# Allegro board C112P01-T2-ZDS-A03.brd (continued)
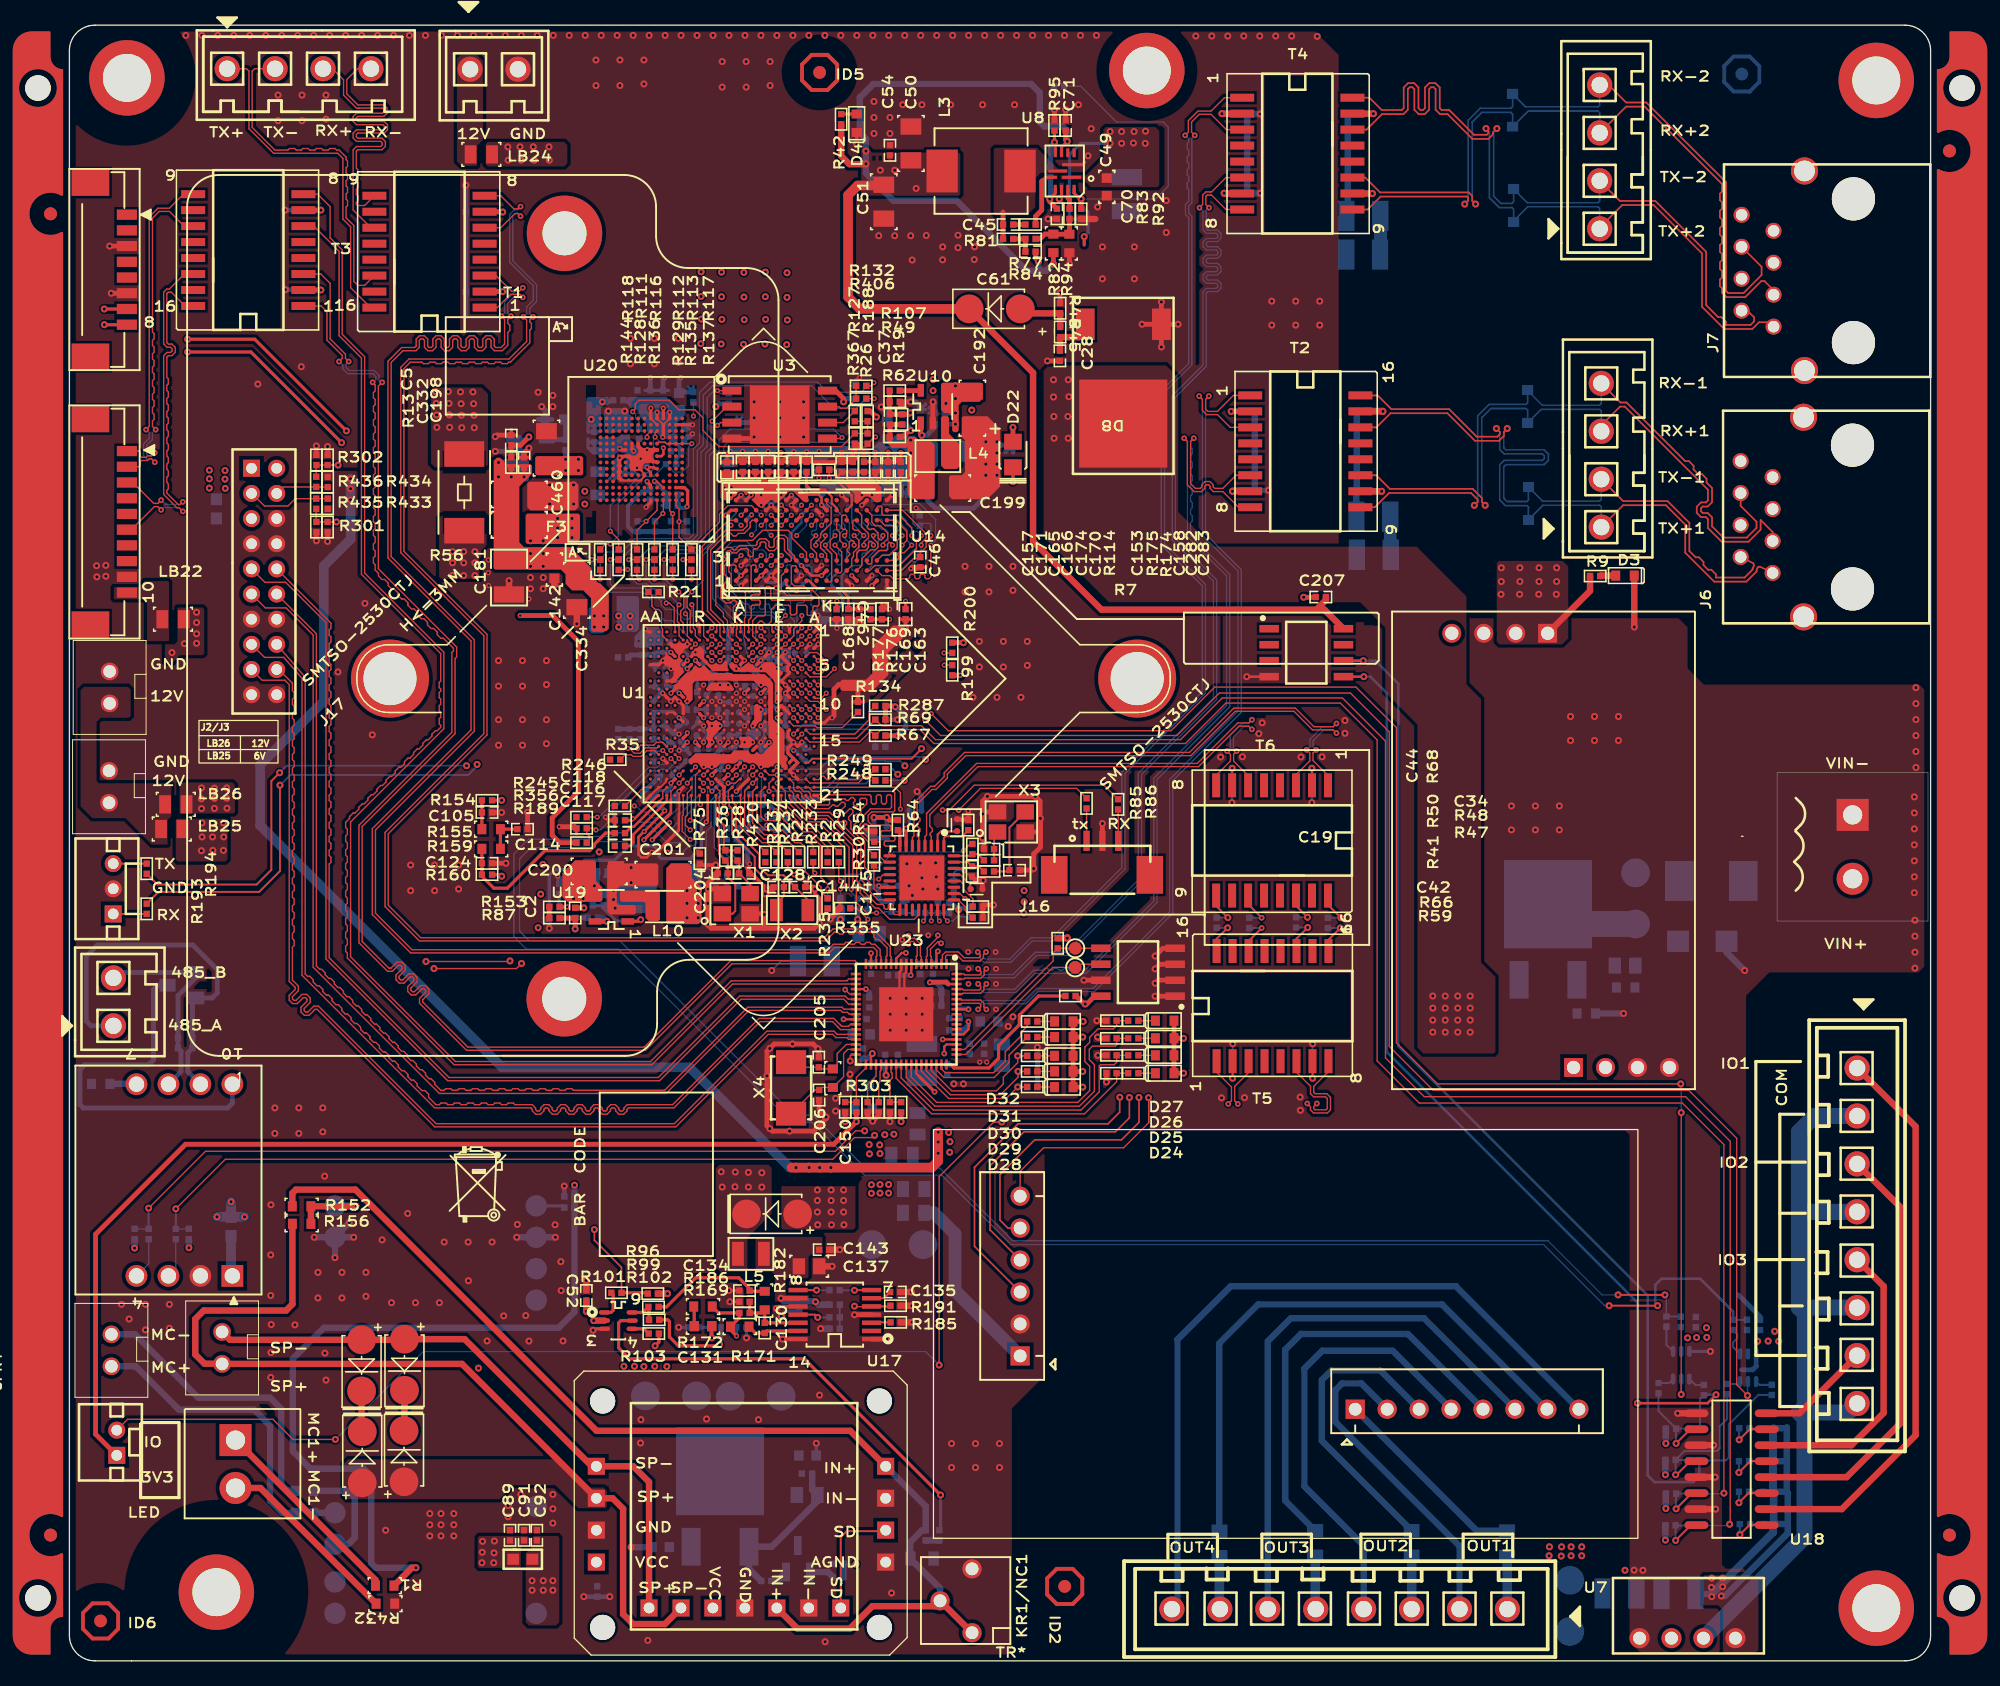
[diagram p0: board, top side]
## Routing (per net, layer and track width the routed paths; a pad name or vN(x,y) marks a point on that pad's centre or on a via; arc(x,y) is an arc through that point) (continued)
  BOTTOM w0.305: C3.1 53.06,78.84 v3(53.02,78.88) 52.92,78.88 52.4,79.4 C7.1
  BOTTOM w0.381: v3(56.27,74.98) 56.88,74.37 C108.1 56.9,75.6 C12.1 ; C23.1 56.29,78.87 v3(56.27,78.88) 56.23,78.84 C9.1 55.64,78.88 v3(54.97,78.88) ; LB20.1 56.33,76.99 v3(56.27,76.93) v3(56.27,76.28)
  BOTTOM w0.404: C225.1 67.37,92.86 ; C225.1 66.81,93.45 ; C225.1 66.26,92.86 ; 64.44,96.57 C210.1 65.61,97.12
  vias: v1(66.88,96.04) v1(66.88,94.01) v3(52.07,93.88) v3(52.07,93.27) v3(52.63,93.88) v3(52.63,93.3) v3(52.59,92.69) v3(56.57,93.88) v3(57.58,93.88) v3(61.65,93.91) v3(62.53,93.91) v3(62.99,92.69) v3(63.42,93.91)
DVCC: length 102.4
  TOP w0.178: U23.39 v1(64.92,46.56) ; 67.57,46.45 67.32,46.7 U23.45
  TOP w0.254: 67.57,46.45 v2(68.78,45.24)
  TOP w0.381: v1(80.58,50.84) D32.A D31.A ; v1(88.57,46.72) D24.A D25.A D26.A ; 79.78,46.86 v1(80.55,46.86) ; 79.78,46.86 D28.A v1(80.55,45.62) ; 79.78,46.86 D29.A D30.A D31.A ; R281.1 v1(62.56,42.88) 60.76,41.07 9.24,41.07 2.08,33.92 2.08,18.02 J31.1 ; D26.A D27.A ; D26.A v1(88.57,49.49) ; D31.A v1(80.55,49.6) ; R294.2 v1(66.12,42.88)
  BOTTOM w0.381: C179.1 64.85,46.63 v1(64.92,46.56)
DVDD: length 27.5
  TOP w0.254: 50.74,73.36 v3(51.07,73.03) 50.74,72.71 ; 51.39,74.66 v3(51.72,74.33) U1.N13 51.39,74.01 v3(51.07,74.33) ; U1.L8 v3(52.37,77.58) U1.M8 v3(51.72,77.58) U1.N8 51.07,77.58 50.74,77.26 ; v3(51.07,74.33) 50.74,74.01 ; v3(51.07,74.33) 50.74,74.66 ; v3(54.32,74.33) 54.64,74.66 54.65,74.66 ; U1.H11 v3(54.97,75.63) ; 54,72.71 v3(53.67,73.03) 54,73.36 v3(54.32,73.03) 54,72.71
  TOP w0.381: C2.1 v1(40.89,59.87)
  ART03 w0.381: v1(40.89,59.87) 41.55,59.21 41.55,58.72 42.16,58.12 43.56,58.12 45.67,60.22 v1(49.1,60.22)
  BOTTOM w0.203: v3(54.32,73.03) 53.86,72.57 C111.1 53.67,72.68 v3(53.67,73.03)
  BOTTOM w0.254: v3(54.32,74.33) 54.32,74.42 C73.1 54.97,75.07 v3(54.97,75.63) 55.53,75.63 C113.1 ; LB15.1 51.37,78.52 C112.1 ; C109.1 C115.1 52.18,74.4 51.78,74.4 v3(51.72,74.33) v3(51.07,74.33)
  BOTTOM w0.305: C119.1 50.82,72.78 v3(51.07,73.03)
  BOTTOM w0.381: C2.1 v1(40.89,59.87)
  vias: v1(49.1,61.24) v1(49.1,59.08) v1(49.99,61.24) v1(49.99,60.22) v1(49.99,59.08)
DVDD3318_SDIO_VOUT: length 2.7
  TOP w0.254: v3(49.12,79.53) 48.8,79.21 U1.U5
  BOTTOM w0.254: C41.1 48.28,80.42 48.72,80.42 49.12,80.01 v3(49.12,79.53)
GND: length 518.5
  TOP w0.102: U1.P20 50.76,69.46 v3(51.08,69.14) ; 53.35,79.86 U1.K4
  TOP w0.127: 48.45,67.35 48.47,67.37 v3(48.47,69.13) ; v3(46.51,93.79) 46.71,93.79 U20.C4 ; U20.N5 U20.P6
  TOP w0.152: U1.W19 47.41,70.02 47.41,69.87 46.99,69.46 U1.Y20 U1.AA21 46.19,68.81 ; U1.V11 48.04,75.41 47.6,75.41 U1.W11 ; U1.A12 59.28,74.57 59.73,74.57
  TOP w0.178: U23.10 66.12,54.89 65.99,54.76 65.99,53.42 v1(65.25,52.68) ; U23.9 66.52,54.76 66.37,54.61 66.37,52.83 v1(66.52,52.68)
  TOP w0.203: v3(46.3,64.29) 45.9,63.88 45.47,63.88 45.24,64.11 45.24,65.51 45.67,65.94 v3(45.69,65.94) 47.32,67.56 v3(47.32,67.59) ; U28.4 v1(93.59,78.25) ; 57.09,78.41 U1.E7 ; U1.R1 50.09,81.81 50.09,82.21 50.11,82.23 v3(49.99,82.36) ; v3(48.21,65.81) 48.45,66.05 48.45,67.35
  TOP w0.229: 80.72,119.15 80.52,118.95 U8.2 ; v1(78.69,116.23) 78.87,116.41 U8.10 ; U1.Y5 U1.AA5
  TOP w0.254: U1.Y5 46.85,79.21 47.17,79.53 v3(47.17,79.53) ; C170.2 v3(57.58,96.14) ; C170.2 57.15,95.76 ; C170.2 C174.2 ; C170.2 58.01,95.76 ; C170.2 R114.1 ; v1(59.61,58.65) 59.64,58.67 59.64,60.63 59.26,61.01 v1(59.26,61.37) ; v3(53.39,87.09) U14.B3 ; C128.2 54.48,62.4 ; C128.2 54.05,63.32 v3(54.08,63.35) ; C128.2 53.84,63.04 ; C128.2 54.23,62.61 55.19,61.65 55.19,61.11 v1(55.32,60.99) ; 50.09,80.51 v3(49.77,80.18) ; v3(49.77,80.18) 49.45,79.86 49.44,79.86 ; v3(49.77,80.18) 50.09,79.86 ; U17.14 v1(56.69,25.58) ; v3(57.57,73.03) U1.D15 57.12,72.59 57.12,72.18 U1.D16 57.56,71.74 ; v3(57.57,73.03) 57.24,73.36 U1.D14 57.13,73.47 57.13,73.89 U1.D13 ; v3(57.57,73.03) 57.57,73.03 U1.C15 v3(58.22,73.03) ; 55.98,61.09 C144.2 55.55,61.52 ; R114.1 v3(58.6,96.14) ; R114.1 59.03,95.76 ; R114.1 C153.2 ; R114.1 58.17,95.76 ; U1.G4 v3(55.62,80.18) ; U1.G4 55.29,79.86 U1.G4 ; v3(56.92,80.18) 56.59,79.86 56.59,79.86 U1.E4 U1.D5 57.1,79.06 57.1,78.7 57.24,78.56 ; C157.2 52.27,95.91 v3(52.53,96.16) ; C157.2 51.84,95.3 ; C157.2 52.3,95.33 C171.2 ; C157.2 52.71,95.3 ; U1.D11 57.24,75.31 56.8,75.75 56.8,75.75 U1.E10 56.47,75.83 56.47,75.83 v3(56.27,75.63) ; v3(52.04,68.2) 52.04,68.81 U1.M21 U1.M20 U1.N19 ; R177.1 62.79,82.78 v3(62.2,82.19) 61.91,82.49 C462.2 ; R177.1 63.22,82.38 ; R177.1 62.36,82.81 ; 65.66,95.33 C283.2 ; C283.2 65.66,95.76 ; C283.2 v3(66.09,96.06) ; C165.2 v3(54.53,96.16) ; C165.2 54.97,95.76 ; C165.2 C171.2 ; C165.2 C166.2 ; C165.2 54.1,95.76 ; U1.V7 U1.W7 ; U1.B3 58.54,80.51 v3(58.87,80.83) ; 57.24,78.56 U1.D6 57.24,78.56 ; 57.24,78.56 57.09,78.41 ; 43.36,67.26 C118.1 43.36,66.4 ; C153.2 60.96,95.76 ; C153.2 61.82,95.76 ; U14.M9 v3(61.39,92.69) ; C174.2 C166.2 ; C174.2 56.13,95.76 ; C174.2 57,95.76 ; C166.2 55.98,95.76 ; C166.2 v3(55.55,96.16) ; C166.2 55.12,95.76 ; C282.2 65.07,96.04 v3(65.1,96.07) ; C282.2 65.51,95.33 ; C282.2 64.64,95.33 ; U14.G8 v3(57.39,91.89) U14.G9 ; v3(64.34,93.92) 64.06,94.2 C158.2 ; 60.83,59.84 R355.2 61.26,60.27 ; 66.01,99.67 R49.1 66.45,99.67 ; U20.G5 46.67,95.33 46.38,95.33 46.13,95.58 v3(45.42,95.58) ; C169.2 64.59,84.05 ; C169.2 65.02,84.05 ; C169.2 v3(65.2,83.62) ; U1.D17 57.24,71.43 57.56,71.74 ; 61.85,95.76 R175.1 62.71,95.76 ; C204.2 51.54,63.12 v1(51.38,63.27) ; C204.2 51.54,62.18 ; C204.2 51.1,62.61 ; v3(60.63,74.98) 60.43,74.98 60.02,74.57 59.73,74.57 ; 81.56,114.63 81.55,114.64 ; v3(59.79,91.09) U14.J8 ; C158.2 64.49,94.52 ; C158.2 64.49,94.73 ; v3(45.92,96.28) 45.47,96.28 45.22,96.53 U20.K8 ; 39.88,66.19 R356.2 40.31,65.76 ; v3(55.79,86.29) U14.E1 ; v3(55.79,86.29) U14.D1 ; v3(55.79,86.29) U14.E2 ; U14.D8 55.39,91.49 v3(55.79,91.89) U14.E8 ; v3(53.52,96.16) C171.2 ; C171.2 53.09,95.76 ; C171.2 53.95,95.76 ; U1.A21 59.2,68.81 U1.A21 ; U1.A21 59.56,68.81 59.64,68.73 v3(59.66,68.73) ; U1.A1 59.49,82.1 v3(59.49,83.14) ; U1.D9 v3(56.92,76.93) 57.24,77.26 57.24,77.26 U1.D8 57.24,77.26 v3(56.92,77.59) 56.72,77.78 56.72,77.78 U1.E7 ; C134.2 v1(52.43,29.44) ; 63.12,76.25 R134.1 62.26,76.25 ; v3(61.01,82.1) 60.98,82.12 C168.2 ; U1.U20 48.8,69.46 v3(48.47,69.13) ; 54.32,72.38 54.64,72.71 U1.H15 ; U16.3 41.74,26.4 v1(41.63,26.29) ; 35.56,97.46 C5.2 35.13,97.89 ; U20.P4 v3(47.22,99.59) ; v3(53.02,69.13) 53.34,69.46 U1.K20 U1.J19 ; U1.U3 v3(49.12,80.83) ; U17.10 56.37,28.18 v1(56.21,28.02) ; 62.87,96.77 R367.2 62.87,96.34 ; U14.B1 53.39,85.49 v3(53.39,85.49) ; v3(45.68,68.3) 45.69,68.3 46.19,68.81 U1.AA21 ; R186.2 v1(52.5,28.55) ; U20.A6 46.22,92.14 45.85,91.77 v3(45.85,91.72) ; U14.T1 v3(64.99,85.29) ; U1.U11 48.79,75.96 v3(48.47,76.28) 48.47,76.28 U1.V9 48.14,76.61 v3(47.82,76.28) U1.W9 v3(47.17,76.93) ; U1.A3 59.2,80.51 v3(59.52,80.83) ; v3(48.21,65.81) 46.69,64.29 v3(46.3,64.29) ; U1.K5 v3(53.67,79.53) 53.35,79.86 ; C168.2 61.42,82.81 ; C168.2 60.55,82.81 ; v3(53.39,92.69) 53,92.29 U14.A9 ; U14.P9 v3(62.99,91.89) ; 57.56,71.74 57.56,71.74 U1.C17 57.89,71.41 57.63,71.15 57.63,71.15 U1.D18 v3(57.57,70.43) U1.C19 ; v3(47.17,71.73) 47.49,71.41 U1.W17 ; U1.W5 47.5,79.21 v3(47.17,79.53) ; U1.L1 v3(52.69,82.3) ; v3(59.79,87.09) U14.J2 ; C163.2 v3(66.47,82.1) ; C163.2 66.04,82.81 ; C163.2 66.9,82.81 ; 51.72,78.88 52.04,79.21 ; 68.07,86.95 C46.2 67.21,86.73 ; v3(58.19,86.29) U14.G1 ; v3(45.8,82.04) 46.03,81.81 U1.AA1 ; v3(47.17,79.53) 47.5,79.86 ; U14.F9 v3(57.39,92.69) ; U14.M1 v3(62.19,85.49) ; U14.T9 v3(65.42,92.71) ; U1.H5 v3(54.97,79.53) ; 35.71,95.68 C332.2 36.58,95.68 ; U20.P6 v3(46.22,99.59) ; U20.N2 v3(49.54,98.28) ; D4.C v1(62.59,120.57) ; 58.71,61.95 58.5,61.52 58.5,61.95 ; U14.P1 v3(63.79,86.29) ; U14.B9 v3(54.19,92.69) ; v3(57.24,82.3) U1.D1
  TOP w0.305: R75.2 50.22,63.27 v1(51.38,63.27) ; C118.1 42.88,66.83 v3(42.62,67.08)
  TOP w0.381: X3.4 72.76,67.5 v1(72.59,67.34) ; v1(59.26,61.37) 59.11,61.52 58.5,61.52 ; v1(81.74,49.6) 81.84,49.49 R285.1 ; U17.4 62.42,27.53 v1(62.41,27.52) ; v1(36.53,96.42) 36.14,96.04 C332.2 ; R41.1 72.06,62.05 v1(72.64,62.05) 72.58,61.99 C42.2 ; R302.2 v1(19.63,96.6) ; R288.2 v1(65.23,42.88) ; J16.2 v1(82.12,66.57) ; C207.1 99.06,84.56 v1(98.12,84.56) ; C144.2 55.45,60.99 v1(55.32,60.99) ; v1(33.86,97.33) 33.99,97.46 C5.2 ; 77.2,65.9 77.2,66.97 v1(77.19,66.98) 77.17,67.01 77.17,68.35 v1(76.78,68.73) v1(72.97,68.73) 72.59,68.35 v1(72.59,67.34) ; 77.2,65.9 X3.2 ; 77.2,65.9 77.2,64.71 76.66,64.16 v1(76.66,62.99) 76.53,62.86 C19.1 ; C70.2 v1(77.8,114.64) ; U24.7 v1(80.64,54.11) ; v1(68.66,100.1) 68.63,100.08 U10.2 ; J12.6 v1(3.33,108.73) ; v1(86.31,55.02) 86.68,55.38 U24.3 ; U24.1 v1(86.31,52.84) ; v1(72.59,67.34) v1(72.59,65.43) 72.69,65.33 C34.1 ; R54.2 63.68,65.94 v1(63.3,66.32) ; C150.1 v1(61.67,42.88) ; v1(54.43,97.31) 54.31,97.18 U3.4 ; v1(86.31,56.03) 86.93,56.65 U24.4 ; U17.1 v1(64.97,25.58) ; v1(59.61,58.65) 59.21,58.24 55.17,58.24 ; v3(50.75,61.37) 51.54,61.37 X1.4 ; v3(50.75,61.37) v1(50.75,60.22) v1(50.75,58.59) 50.75,58.51 51.02,58.24 55.17,58.24 ; v3(50.75,61.37) 50.76,61.38 50.76,61.84 C204.2 ; v3(71.45,67.59) R68.1 71.39,66.92 C44.2 ; C105.2 v1(34.36,67.45) ; R301.2 v1(19.63,89.05) ; C46.2 66.99,86.95 v3(66.89,86.85) ; 55.17,58.24 55.24,58.31 v1(55.24,59.33) 55.18,59.4 X1.2 ; R94.2 v1(79.49,111.07) ; R295.2 63.45,43.31 v1(63.86,42.9) 64.34,43.38 R284.2 ; R355.2 61.26,59.77 v1(60.48,58.98) ; R270.1 v1(20.52,89) ; v3(61.39,96.07) C153.2 R175.1 v3(62.28,96.07) 62.43,96.22 R367.2 ; R286.1 v1(81.75,48.14) ; R272.1 v1(20.52,96.55) ; C124.2 v1(34.7,63.42) ; v1(73.46,60.1) 72.62,60.1 R66.1 R59.2 ; R283.1 v1(81.67,50.9) ; C206.1 59.6,43.78 v1(60.15,43.23) 60.15,43.1 59.16,42.11 v1(57.25,42.11) 55.88,42.11 v1(55.68,42.32) 55.45,42.54 v1(55.45,46.51) 55.45,48.46 v1(55.68,48.69) 56.03,49.05 v1(57.48,49.05) 59.13,49.05 v1(59.51,48.67) 59.58,48.6 C205.1 ; v1(86.31,53.87) 86.56,54.13 87.89,54.13 U24.2 ; R292.1 v1(82.44,46.02) ; R134.1 62.69,77.21 62.27,77.62 61.16,77.62 60.78,77.24 60.78,75.13 v3(60.63,74.98) ; R95.2 v1(78.31,123.34) ; D8.1 v1(86.81,108.04) ; D8.1 v1(86.81,104.46) ; D8.1 v1(85.27,106.27) ; D8.1 v1(88.13,106.27) ; R46.1 v1(78.76,108.76) ; C71.2 v1(79.2,123.34) ; v3(38.94,66.32) 40.18,66.32 R356.2 ; R49.1 v1(66.88,100.1) ; C114.2 v1(36.42,67.46) ; J12.3 v1(3.2,112.48) ; C28.2 v1(77.75,103.35)
  TOP w0.508: R185.2 v1(67.02,26.91) ; C334.2 v1(40.34,82.45) ; v1(34.95,85.88) C181.2 ; 81.55,114.64 R92.2 ; C143.2 v1(61.24,32.69) ; U18.11 v1(130.7,17.14) ; v1(38.81,85.24) 38.56,85.5 C142.2 ; C52.1 v1(41.09,30.25) ; C137.2 v1(60.63,31.37) ; R191.2 v1(66.97,28.23) ; U18.15 v1(130.86,12.06) ; C135.1 v1(66.94,29.32) ; D3.C v1(124.4,82.19) ; U18.13 v1(130.82,14.6) ; U18.9 v1(127.85,19.68)
  ART03 w0.254: 45.8,64.8 45.85,64.8
  BOTTOM w0.152: C85.1 v1(98.83,49.06) ; v1(55.83,54.89) 56.59,55.65 C178.2 ; C84.1 v1(92.48,49.06) ; v1(72.64,62.05) 72.58,61.99 C42.2 ; C87.1 v1(92.42,68.23) ; C86.1 v1(98.77,68.23)
  BOTTOM w0.254: 47.12,91.85 C55.2 47.12,92.28 ; v3(54.97,79.53) 54.38,78.95 C3.2 ; 53.06,98.88 R65.2 53.49,98.88 ; 42.56,62.33 C98.2 42.77,62.33 ; C109.2 53.69,74.96 C73.2 53.91,74.57 v3(53.67,74.33) 53.5,74.5 C115.2 ; C101.2 51.79,69.85 v3(51.08,69.14) ; 45.75,101.02 C60.2 46.61,101.02 ; 46.61,92.33 C64.2 45.75,92.33 ; 47.28,73.29 C141.1 47.28,73.51 ; 49.61,101.32 R146.2 49.17,101.32 ; 57.15,95.33 C170.2 57.15,95.12 ; 52.84,72.13 C111.2 52.46,72.57 ; 61.52,82.38 C159.2 62.38,82.38 ; 49.53,74.17 C122.1 49.97,75.04 ; 46.55,77.88 C110.1 46.17,77.45 ; 52.28,78.54 C112.2 52.28,78.32 ; 49.3,97.94 C63.2 48.87,98.37 ; 59.16,94.26 C154.2 59.16,94.7 ; 46.76,101.02 C65.2 47.63,101.02 ; 60.12,82.38 C172.2 59.69,82.38 ; 63.27,82.38 R180.1 62.84,82.38 ; 54.38,78.41 C3.2 ; C3.2 54.81,78.41 ; 64.62,84.05 C164.2 65.05,84.05 ; 47.65,78.95 C125.2 47.26,78.95 ; 61.44,82.38 R115.1 60.58,82.38 ; 39.37,62.2 C27.2 39.37,61.77 ; 42.93,60.88 C423.2 42.49,61.32 ; 68.07,99.49 C81.2 68.07,99.92 ; 52.14,72.51 C119.2 51.31,72.08 ; 37.72,58.62 R79.2 37.72,59.05 ; v3(61.39,92.69) U14.M9 ; 47.41,74.75 C139.1 47.02,74.32 ; 62.1,101.8 C129.2 62.1,101.37 ; 51.16,72.06 C95.2 51.99,72.06 ; 58.83,68.17 C56.2 58.39,68.17 ; 51.97,73.81 C102.2 51.52,73.16 ; U2.3 v1(130.45,24.61) ; R183.2 v1(48.44,26.52) ; 64.87,75.26 R198.1 64.87,74.4 ; 66.04,82.81 C163.2 66.9,82.81 ; U14.E8 v3(55.79,91.89) ; 58.06,72.89 C93.2 58.93,72.5 ; 43.36,93.95 C58.2 42.93,93.95 ; C106.2 55.71,76.19 v3(56.27,75.63) ; 46.98,69.95 C36.1 46.59,70.38 ; v3(51.72,76.28) 51.77,76.23 C107.2 ; 66.68,60.38 R354.2 66.24,60.81 ; 68.33,99.21 C69.2 68.33,99.64 ; 47.12,92.3 C57.2 47.12,92.74 ; C136.2 56.9,27.79 56.59,27.48 v1(56.59,27.41) ; 46.56,78.73 C59.2 46.13,79.16 ; 49.94,80.41 C90.1 50.37,80.64 ; 60.96,95.33 C153.2 60.96,95.12 ; C133.2 v1(53.82,25.68) ; C30.2 v1(66.75,61.62) ; v1(59.37,17.3) C11.1 ; 50.36,73.16 C96.2 50.36,74.02
  BOTTOM w0.305: C95.2 51.6,72.35 C119.2 51.76,72.99 v3(51.72,73.03) 51.72,73.39 C102.2 ; v3(53.02,77.58) 53.02,77.82 C112.2 53.16,78.1 ; v3(54.19,92.69) U14.B9 v3(53.39,92.69) ; U14.B1 v3(53.39,85.49) U15.A9 ; v3(57.57,73.03) 57.42,73.03 C108.2 ; U15.F9 56.41,85.3 v3(56.18,85.3) ; C123.1 55.96,71.65 55.58,72.03 ; U14.P1 v3(63.79,86.29) ; U14.G1 v3(58.19,86.29) U15.G8 ; 49.35,72.09 49.03,72.4 C126.1 ; v3(57.39,91.89) U14.G9 v3(57.39,92.69) ; v3(62.99,91.89) 63.06,91.89 63.39,92.22 U14.P9 ; C122.1 50.15,74.6 v3(50.42,74.33) 50.42,73.97 C96.2 50.42,73.21 v3(50.42,73.03) ; v3(47.82,78.88) 47.67,79.03 47.67,79.38 C125.2 47.32,79.38 v3(47.17,79.53) 46.8,79.16 C59.2 ; U14.E2 v3(55.79,86.29) U15.D8 ; v3(46.51,93.79) 47.55,92.74 C57.2 ; U14.J2 v3(59.79,87.09) ; v3(51.72,76.28) 51.6,76.41 C100.2 ; C141.1 47.86,73.07 48.11,72.82 ; U15.E1 v3(55.79,91.89) U15.D1 ; C99.2 51.56,75.14 v3(51.72,74.98) ; U14.J8 v3(59.79,91.09) ; U14.T9 v3(65.42,92.71) ; U14.T1 v3(64.99,85.29) ; U14.M1 v3(62.19,85.49) ; U15.B3 v3(54.22,91.12)
  BOTTOM w0.358: 47.78,68.32 C43.2 ; C43.2 48.4,68.32 ; C43.2 48.4,68.93
  BOTTOM w0.381: v3(43.74,95.66) 43.36,95.28 C58.2 ; v1(43.26,61.26) 42.88,61.26 C423.2 ; v1(63.3,66.32) 63.3,65.84 63.73,65.41 C29.2 64.91,65.41 C31.2 ; R354.2 66.73,60.86 v1(67.01,60.86) ; C167.2 v3(63.17,96.07) ; R225.1 74.02,96.65 v1(73.74,96.93) ; C154.2 v3(59.59,96.16) ; 132.92,23.14 133.81,23.14 134.09,23.42 U21.3 ; v3(49.53,97.56) 49.28,97.31 49.12,97.31 C62.2 ; v1(67.39,69.11) 67.73,68.77 C33.2 ; v1(72.85,96.93) 71.65,96.93 C195.2 ; v1(37.54,99.72) 37.82,99.44 R24.2 ; v3(67.31,91.64) 67.59,91.36 C281.2 ; v3(48.59,102.03) 48.46,101.9 C68.2 48.55,100.89 R146.2 ; C76.1 v1(95.33,93.07) ; v1(72.85,96.04) 72.72,96.16 C195.2 ; 55.25,74.54 C113.2 ; C113.2 55.69,74.53 C121.2 55.24,74.15 ; C113.2 55.25,74.15 ; v3(45.68,68.3) 45.68,68.34 45.54,68.48 45.54,68.95 C36.1 ; C43.2 48.09,68.75 v3(48.47,69.13) ; v1(54.43,98.83) 54.05,98.45 R65.2 ; v3(38.81,62.38) 38.94,62.26 C27.2 ; C159.2 R115.1 ; C159.2 61.95,82.45 v3(62.2,82.19) ; C159.2 R180.1 ; R115.1 v3(61.01,82.1) ; R115.1 C172.2 59.82,82.81 v3(59.49,83.14) ; 55.13,72.16 C94.2 54.97,71.89 v3(54.97,73.03) ; C93.2 58.5,72.76 v3(58.22,73.03) ; 54.36,75.39 C104.2 ; v1(76.95,48.78) R291.1 R289.1 R290.1 ; v3(56.92,76.93) 56.92,76.54 56.96,76.5 C12.2 ; v3(49.54,98.28) 49.21,98.28 C63.2 ; C64.2 46.18,92.05 v3(45.85,91.72) ; C195.2 71.91,95.15 v1(72.85,95.15) ; v3(57.58,96.14) C170.2 R114.1 ; 132.66,29.11 134.39,27.38 C4.1 ; v3(53.02,73.03) 53.02,72.74 C111.2 ; C139.1 48.04,73.68 v3(48.47,73.68) ; C69.2 68.76,100 v1(68.66,100.1) ; C210.2 65.02,99.21 v1(64.54,99.69) ; R175.1 v3(62.28,96.07) ; C65.2 47.19,101.9 v3(47.32,102.03) ; v3(47.32,67.59) C140.1 ; R114.1 v3(58.6,96.14) ; R114.1 59.03,95.33 ; v3(48.47,72.38) 48.59,72.5 C126.1 ; v3(59.66,68.73) 59.64,68.73 59.51,68.61 C56.2 ; v3(54.53,96.16) C165.2 C166.2 v3(55.55,96.16) ; C78.1 v1(17.17,109.02) ; v3(49.77,80.18) 49.84,80.25 C90.1 ; v1(40.89,5.11) C97.2 v1(42.95,5.11) ; R198.1 v1(65.84,74.83) ; C188.1 53.92,64.44 53.92,63.5 v3(54.08,63.35) ; 46.48,80.96 C41.2 ; C41.2 47.13,81.4 ; C41.2 46.91,81.4 ; C41.2 46.48,81.4 ; C153.2 v3(61.39,96.07) ; C225.2 68.21,92.27 68.83,91.64 71.88,91.64 v3(72.72,92.48) ; C88.1 v1(39.34,37.75) ; 45.11,80.79 R142.1 ; R142.1 45.54,81.22 ; R142.1 45.97,80.79 ; R142.1 45.97,81.22 ; C163.2 v3(66.47,82.1) ; C461.2 53.58,95.9 53.62,95.94 53.52,96.04 v3(53.52,96.16) ; C7.2 52.4,82 v3(52.69,82.3) ; v1(66.88,100.1) 67.26,100.1 67.64,99.72 C81.2 ; 31.52,106.9 C72.1 C74.1 v1(31.52,117.32) ; v1(38.15,58.24) R79.2 ; C55.2 C57.2 ; C22.2 47.05,76.93 v3(47.17,76.93) 46.66,77.45 C110.1 ; C47.2 v1(69.04,61.37) ; 43.43,97.84 C66.2 43,98.27 ; C79.1 v1(17.14,115.34) ; v1(36.53,96.42) 36.27,96.16 U9.2 v1(33.86,96.16) ; C98.2 44.02,62.76 ; C60.2 v3(46.18,102.03) ; C164.2 v3(65.2,83.62) ; C96.2 C102.2 ; v3(62.81,102.03) 62.53,101.75 C129.2
  BOTTOM w0.399: 74.42,96.14 R225.1 75.01,96.11 ; 37.29,98.7 R24.2 ; R24.2 37.82,98.12 ; R24.2 38.35,98.7
  BOTTOM w0.508: v1(94.65,122.99) C80.1 C82.1 v1(94.67,116.69) ; U12.11 v1(21.11,32.06) ; U12.11 v1(22.6,33.68) ; U12.11 21.11,33.71 v1(22.25,34.85) ; U12.11 v1(19.46,33.68) ; D19.1 131.74,56.33 v1(133.17,54.89) ; v1(38.63,33.68) U12.2 v1(35.56,33.68) ; R8.1 v1(123.55,51.47) ; R190.1 v1(59.72,26.42) ; C76.1 94.23,93.09 C75.1 ; C10.1 v1(44.65,9.04)
  vias: v1(2.16,87.07) v1(2.18,86.18) v1(2.9,87.1) v1(2.9,86.23) v1(4.14,28.35) v1(4.75,27.18) v1(6.05,28.35) v1(6.05,26.31) v1(7.95,28.35) v1(7.95,26.44) v1(9.25,129.24) v1(10.52,129.24) v1(11.79,129.24) v1(13.06,129.24) v1(14.33,129.24) v1(14.98,101.51) v1(15.6,129.24) v1(16.02,36.26) v1(16,32.28) v1(16,29.05) v1(16.05,26.74) v1(16.02,24.51) v1(16,22.54) v1(16.33,43.97) v1(16.33,41.94) v1(16.59,124.49) v1(16.59,122.45) v1(16.87,129.24) v1(17.93,26.72) v1(18.14,129.24) v1(18.24,43.97) v1(18.24,41.94) v1(18.44,102.89) v1(18.49,124.49) v1(18.49,122.45) v1(19.41,129.24) v1(19.76,30.89) v1(19.76,28.85) v1(20.14,43.97) v1(20.14,42.06) v1(20.29,38.53) v1(20.31,24.47) v1(20.4,124.49) v1(20.4,122.58) v1(20.4,22.32) v1(20.68,129.24) v1(21.35,78.62) v1(21.67,30.89) v1(21.67,28.85) v1(21.95,129.24) v1(23.22,129.24) v1(23.49,84.08) v1(23.57,30.89) v1(23.57,28.98) v1(24.08,73.62) v1(24.49,129.24) v1(24.86,33.47) v1(25.14,10.39) v1(25.6,28.47) v1(25.76,129.24) v1(26.89,35.57) v1(27.03,129.24) v1(27.13,63.27) v1(27.13,61.24) v1(27.51,28.47) v1(27.7,5.98) v1(28.3,129.24) v1(28.65,11.71) v1(28.65,10.82) v1(28.65,9.93) v1(29.03,63.27) v1(29.03,61.24) v1(29.41,28.47) v1(29.54,11.71) v1(29.54,10.82) v1(29.54,9.93) v1(29.57,129.24) v1(29.79,33.3) v1(30.56,11.71) v1(30.56,10.82) v1(30.56,9.93) v1(30.84,129.24) v1(30.94,63.27) v1(30.94,61.37) v1(31.7,33.3) v1(31.72,30.22) v1(32.11,129.24) v1(32.52,23.27) v1(33.2,25.44) v1(33.38,129.24) v1(33.6,33.3) v1(34.11,79.53) v1(34.11,77.5) v1(34.11,74.83) v1(34.11,72.8) v1(34.52,27.43) v1(34.65,129.24) v1(34.87,12.34) v1(34.87,11.46) v1(35.61,34.7) v1(35.92,129.24) v1(35.89,13.23) v1(36.02,79.53) v1(36.02,77.5) v1(36.02,74.83) v1(36.02,72.8) v1(36.28,27.45) v1(36.54,25.43) v1(36.65,86.13) v1(36.65,85.24) v1(37.19,129.24) v1(37.26,100.86) v1(37.67,86.13) v1(37.67,85.24) v1(37.92,79.53) v1(37.92,77.62) v1(37.92,74.83) v1(37.92,72.92) v1(38.18,93.5) v1(38.18,91.97) v1(38.43,100.61) v1(38.43,99.72) v1(38.43,13.23) v1(38.43,12.09) v1(38.43,10.95) v1(38.46,129.24) v1(38.61,34.67) v1(39.07,31.74) v1(39.09,29.44) v1(39.24,25.44) v1(39.73,129.24) v1(40.08,93.5) v1(40.08,91.97) v1(41,129.24) v1(41.86,127.28) v1(41.86,125.25) v1(42.27,129.24) v1(42.85,99.36) v1(43.26,60.53) v1(43.38,59.84) v1(43.54,129.24) v1(43.76,127.28) v1(43.76,125.25) v1(44.15,99.36) v1(44.6,105.15) v1(44.6,103.11) v1(44.65,63.07) v1(44.65,61.87) v1(44.81,129.24) v1(45.43,19.18) v1(45.4,17.32) v1(45.67,127.28) v1(45.67,125.37) v1(45.98,1.63) v1(46.08,129.24) v1(46.5,105.15) v1(46.5,103.11) v1(47.35,129.24) v1(48.41,105.15) v1(48.41,103.24) v1(48.62,129.24) v1(49.89,129.24) v1(50.65,19.23) v1(51.16,129.24) v1(51.89,127.15) v1(51.89,125.12) v1(52.43,129.24) v1(53.7,129.24) v1(53.8,127.15) v1(53.8,125.12) v1(54.43,100.1) v1(54.78,19.18) v1(54.97,129.24) v1(55.7,127.15) v1(55.7,125.25) v1(56.24,129.24) v1(56.46,100.1) v1(56.46,98.83) v1(56.46,97.31) v1(57.51,129.24) v1(58.37,100.1) v1(58.37,98.83) v1(58.37,97.31) v1(58.78,129.24) v1(59.63,21.13) v1(60.05,129.24) v1(60.08,1.52) v1(60.91,44.73) v1(60.91,43.71) v1(61.32,129.24) v1(62.05,46.63) v1(62.59,129.24) v1(63.86,129.24) v1(63.96,123.98) v1(63.96,122.71) v1(63.96,121.44) v1(64.34,113.31) v1(65.13,129.24) v1(65.23,122.71) v1(65.23,121.44) v1(65.25,51.41) v1(65.25,50.14) v1(65.36,5.4) v1(65.61,113.31) v1(66.24,123.72) v1(66.4,129.24) v1(66.52,51.41) v1(66.52,50.14) v1(66.57,63.37) v1(66.88,113.31) v1(66.99,111.37) v1(67.64,63.42) v1(67.67,129.24) v1(67.77,123.72) v1(67.77,62.26) v1(67.84,61.37) v1(67.79,52.68) v1(67.79,51.41) v1(67.79,50.14) v1(68.12,113.33) v1(68.94,129.24) v1(68.86,63.45) v1(68.91,62.33) v1(69.42,112.42) v1(69.41,111.39) v1(70.05,123.72) v1(70.13,17.27) v1(70.13,15.37) v1(70.21,129.24) v1(70.31,45.87) v1(70.64,113.35) v1(70.64,112.36) v1(71.07,45.87) v1(71.2,87.02) v1(71.2,84.99) v1(71.48,129.24) v1(71.83,76.61) v1(71.94,111.41) v1(71.96,112.42) v1(72.03,17.27) v1(72.03,15.37) v1(72.34,81.05) v1(72.34,79.02) v1(72.59,123.72) v1(72.75,129.24) v1(72.85,94.26) v1(73.1,87.02) v1(73.1,84.99) v1(73.74,96.04) v1(73.74,95.15) v1(73.74,94.26) v1(73.74,76.61) v1(73.94,17.27) v1(73.94,15.37) v1(74.02,129.24) v1(74.24,81.05) v1(74.24,79.02) v1(74.63,50.44) v1(75.01,87.02) v1(75.01,85.12) v1(75.01,51.21) v1(75.13,123.72) v1(75.29,129.24) v1(75.64,76.61) v1(76.15,81.05) v1(76.15,79.15) v1(76.56,129.24) v1(77.83,129.24) v1(79.1,129.24) v1(80.21,123.72) v1(80.37,129.24) v1(80.98,119.66) v1(81.23,121.82) v1(81.64,129.24) v1(81.74,115.6) v1(82.12,112.42) v1(82.12,109.88) v1(84.66,112.42) v1(84.66,109.88) v1(87.2,116.1) v1(87.2,113.56) v1(89.54,129.18) v1(90.81,129.18) v1(91.52,71.86) v1(91.59,44.76) v1(92.08,129.18) v1(93.24,71.88) v1(93.35,129.18) v1(93.41,44.78) v1(94.62,129.18) v1(94.55,73.72) v1(94.82,74.58) v1(95.58,108.1) v1(95.58,106.2) v1(95.89,129.18) v1(97.16,129.18) v1(97.49,108.1) v1(97.49,106.2) v1(97.84,44.82) v1(97.9,71.87) v1(97.86,43.77) v1(99.2,129.16) v1(99.39,108.1) v1(99.39,106.2) v1(99.58,71.88) v1(101.4,74.76) v1(101.4,73.74) v1(114.63,67.97) v1(114.63,66.07) v1(116.54,67.97) v1(116.54,66.07) v1(118.44,67.97) v1(118.44,66.07) v1(119.33,75.08) v1(119.33,73.18) v1(121.23,75.08) v1(121.23,73.18) v1(123.14,75.08) v1(123.14,73.18) v1(123.66,7.2) v1(124.38,7.21) v1(125.08,7.2) v1(146.66,68.69) v1(146.66,67.42) v1(146.66,66.15) v1(146.66,64.88) v1(146.66,63.61) v1(146.66,62.34) v1(146.66,61.07) v1(146.71,58.89) v1(146.71,57.62) v1(146.71,56.35) v1(146.71,55.08) v1(146.79,77.38) v1(146.79,76.11) v1(146.79,74.84) v1(146.79,73.57) v1(146.79,72.3) v1(146.79,71.03) v2(66.21,57.33) v2(68.28,57.68) v2(71.44,56.36) v2(71.47,55.02) v2(71.47,53.82) v2(73.63,56.36) v2(73.66,55.02) v2(73.66,53.82) v2(73.66,51.8) v3(33.3,87.53) v3(33.3,86.51) v3(33.32,85.5) v3(36.53,84.43) v3(45.12,94.85) v3(50.42,77.58) v3(51.07,76.28) v3(51.07,74.98) v3(53.02,76.93) v3(53.02,76.28) v3(53.67,76.28) v3(53.67,75.63) v3(54.97,76.28) v3(54.97,74.33) v3(72.36,47.6) v3(72.92,47.6)
